# Altium PCB Simulation.PcbDoc (part 3 of 3) (continued)
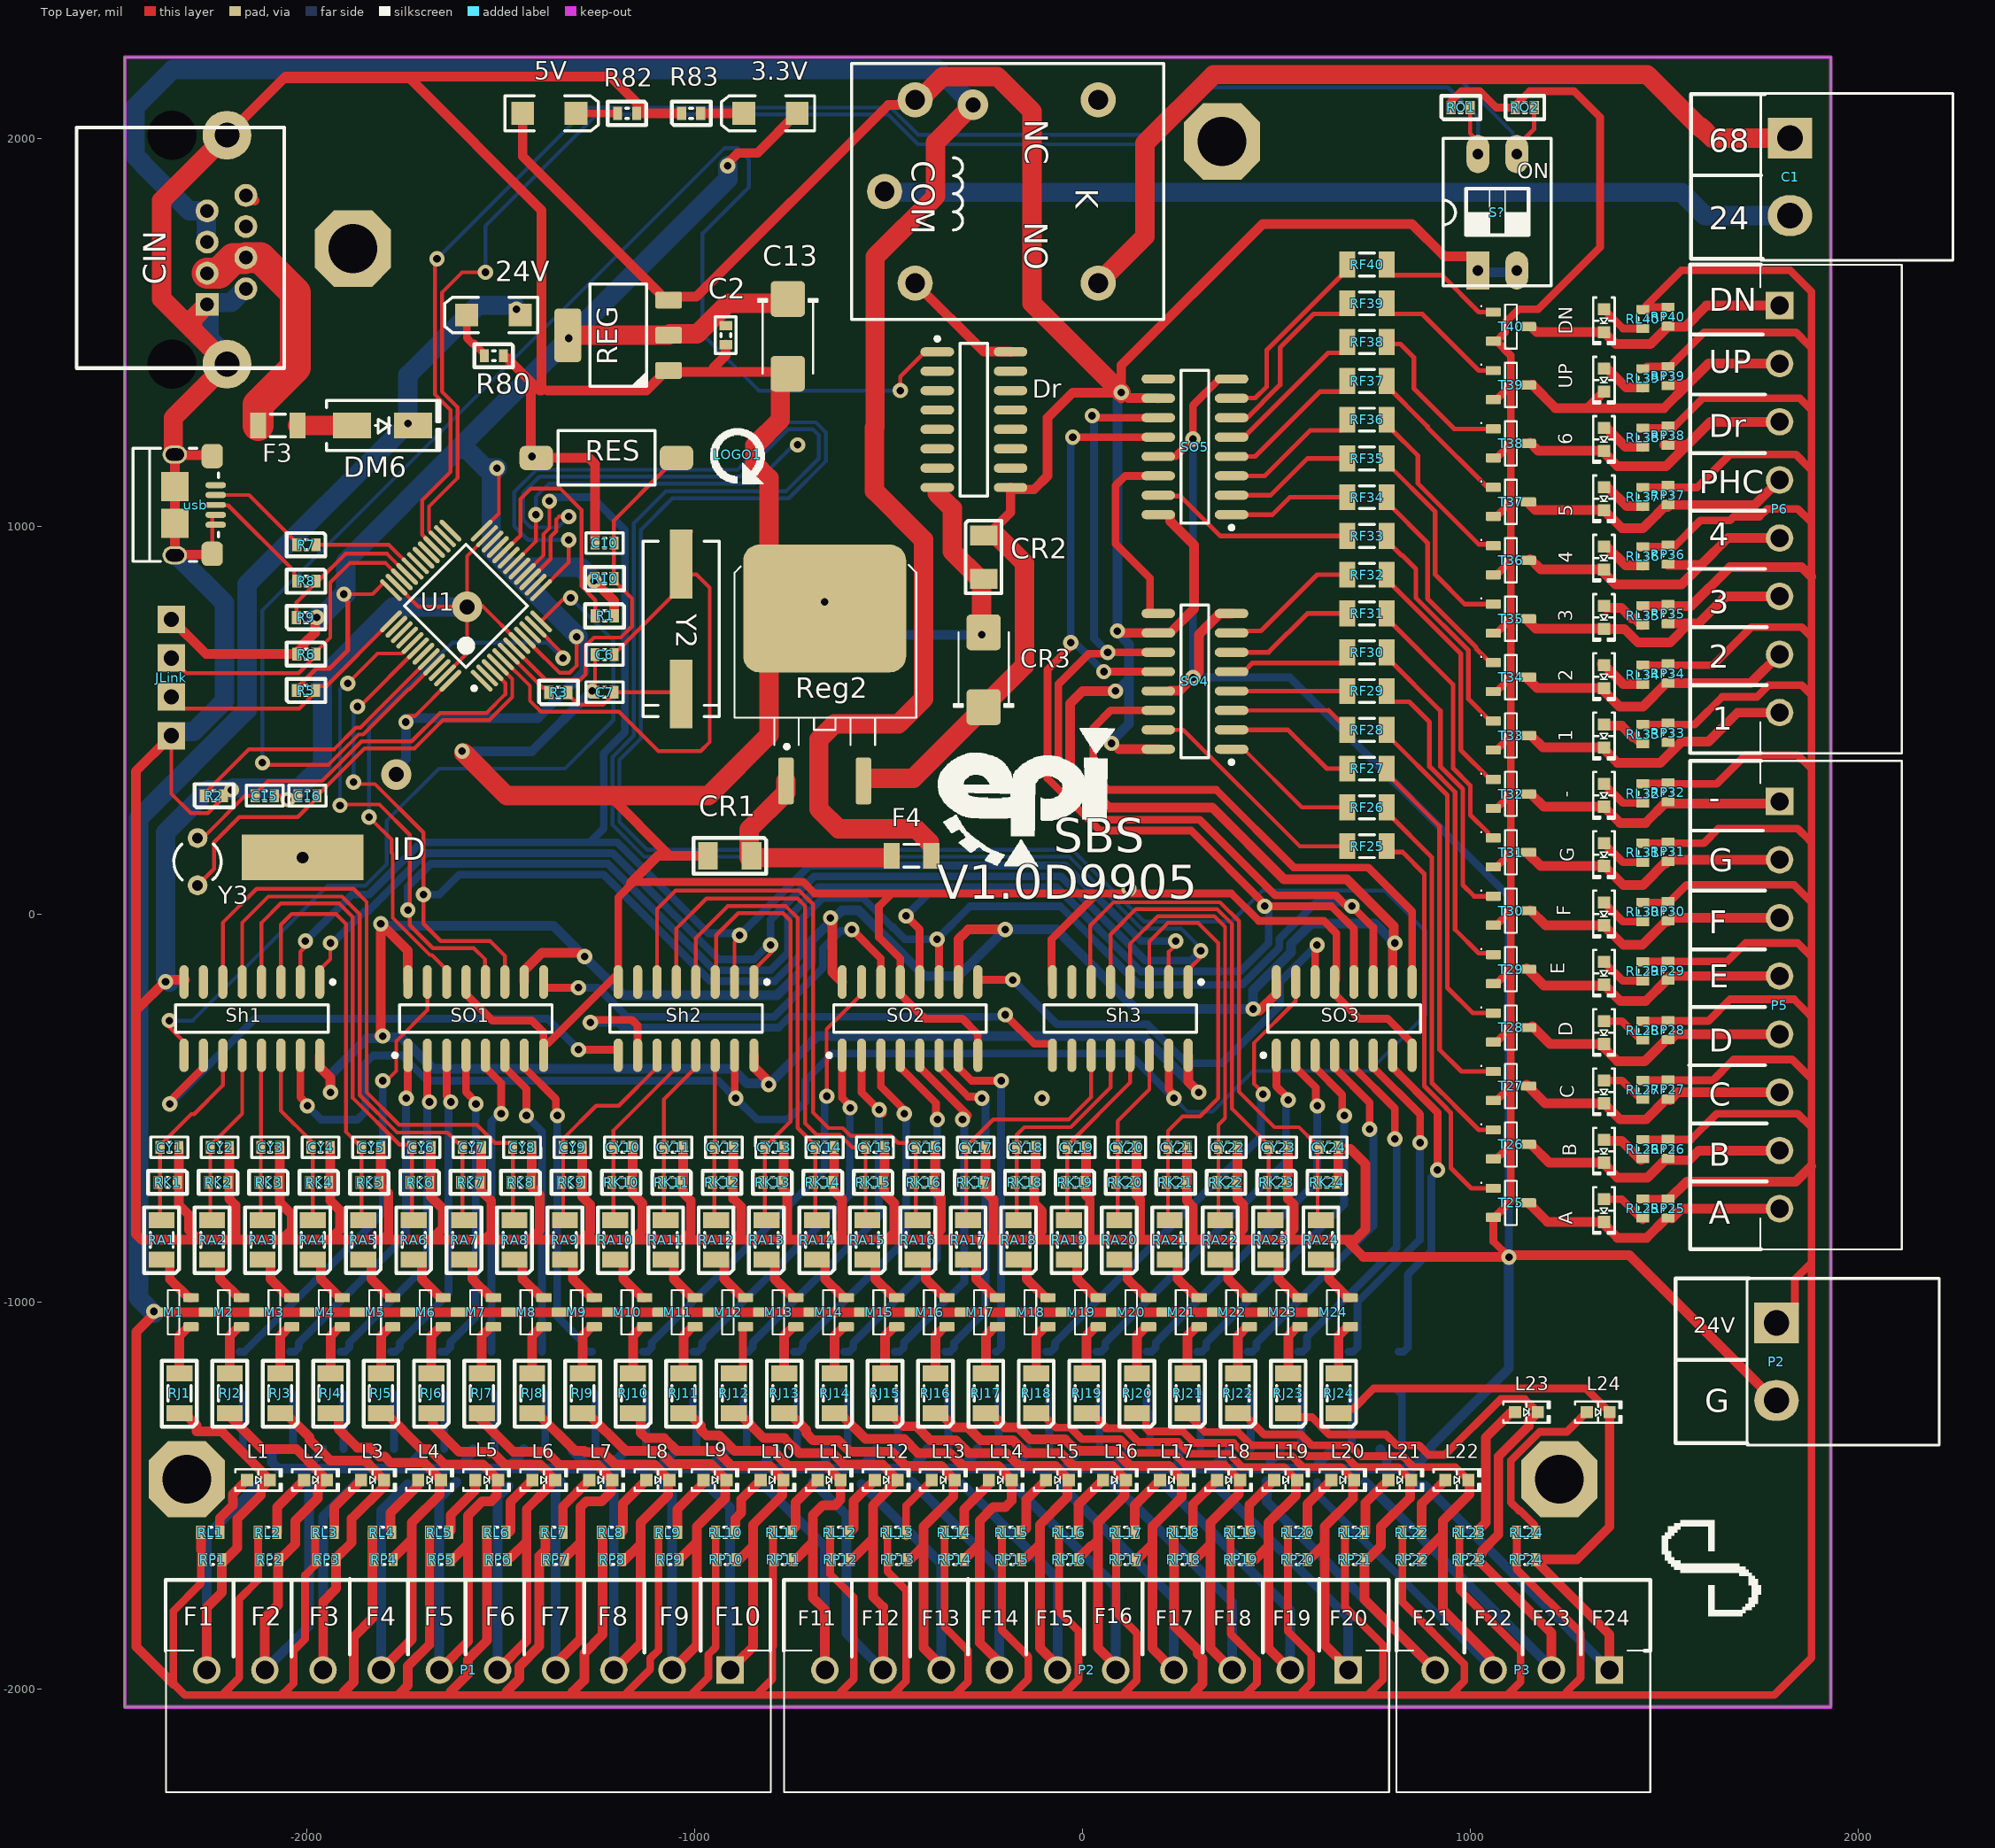
[diagram p0: Top Layer view]
## Nets (pads, with @x,y where several pads share a name; then routed paths per layer and width w, separated by ;. In a path a pad name is that pad's centre, name@x,y a point inside that pad or via, vN(x,y) a via of type N, cw(c..) or ccw(c..) an arc to the next point about the centre after c; other vN are vias at no path point) (continued)
  Top Layer w25: RP23.2@1020,-1665 1209.44,-1854.44 P3.2@1209.44,-1950 ; RP23.2@1030,-1650 1030,-1643.78 1072.87,-1600.91 1072.87,-1399.06 1151.59,-1320.34 1151.59,-1307.93 L23.2@1174.53,-1285
  Bottom Layer w25: T23.3@730,-1465 1209.44,-1944.44 P3.2@1209.44,-1950
SI24_23: L24.2 P3.1 RJ24.1 RP24.2 T24.3 | length 2308.2
  Top Layer w20: RJ24.1@680,-1295 680,-1280.86 684.17,-1276.69 698.31,-1276.69 751.5,-1223.5 1298.03,-1223.5 L24.2@1359.53,-1285
  Top Layer w25: RP24.2@1168.99,-1665 1168.99,-1668.54 1359.44,-1858.99 1359.44,-1939.44 P3.1@1360,-1940 ; RP24.2@1175,-1665 1275,-1665 1359.53,-1580.47 L24.2@1359.53,-1285
  Bottom Layer w25: T24.3@860,-1475 884.44,-1475 P3.1@1359.44,-1950
SI24_24: A.2 P5.8 RP25.2 T25.3 | length 697.4
  Top Layer w25: T25.3@1155,-750 1199.53,-794.53 A.2@1345,-794.53 ; A.2@1345,-800 1380,-835 1455.45,-835 1506.46,-783.99 RP25.2@1510,-783.99 ; RP25.2@1520,-785 1545,-760 P5.8@1798,-760
SI24_25: B.2 P5.7 RP26.2 T26.3 | length 710.7
  Top Layer w25: T26.3@1157.46,-595.02 1203.97,-641.53 B.2@1345,-641.53 ; B.2@1345,-645 1380,-680 1457.12,-680 RP26.2@1506.06,-631.06 ; RP26.2@1510,-630.66 1506.46,-630.66 RP26.2@1506.06,-631.06 ; P5.7@1798,-610 1590,-610 1565,-635 1510,-635 1507.83,-632.83 RP26.2@1506.06,-631.06
SI24_26: C.2 P5.6 RP27.2 T27.3 | length 714.8
  Top Layer w25: T27.3@1145,-440 1193.53,-488.53 C.2@1345,-488.53 ; C.2@1345,-490 1346.47,-490 1386.47,-530 1453.78,-530 1506.46,-477.33 RP27.2@1510,-477.33 ; RP27.2@1515,-480 1535,-460 P5.6@1798,-460
SI24_27: D.2 P5.5 RP28.2 T28.3 | length 695.8
  Top Layer w25: T28.3@1160,-290 1205.53,-335.53 D.2@1345,-335.53 ; D.2@1345,-345 1380,-380 1450.45,-380 1506.46,-323.99 RP28.2@1510,-323.99 ; RP28.2@1515,-325 1530,-310 P5.5@1798,-310
SI24_28: E.2 P5.4 RP29.2 T29.3 | length 721.9
  Top Layer w25: T29.3@1145,-140 1190,-185 1342.53,-185 E.2@1345,-182.53 1387.47,-225 1452.12,-225 1506.46,-170.66 RP29.2@1510,-170.66 ; RP29.2@1505,-170 1515,-160 P5.4@1798,-160
SI24_29: F.2 P5.3 RP30.2 T30.3 | length 710.9
  Top Layer w25: T30.3@1155,10 1194.53,-29.53 F.2@1344.53,-29.53 ; F.2@1345,-29.53 F.2@1344.53,-29.53 ; RP30.2@1510,-20 1520,-10 P5.3@1798,-10 ; RP30.2@1510,-17.33 1506.46,-17.33 1443.78,-80 1395,-80 F.2@1344.53,-29.53
SI24_30: G.2 P5.2 RP31.2 T31.3 | length 723.3
  Top Layer w25: T31.3@1150,155 1181.53,123.47 G.2@1345,123.47 ; G.2@1340,130 1395,75 1445.45,75 1506.46,136.01 RP31.2@1510,136.01 ; RP31.2@1505,130 1515,140 P5.2@1798,140
SI24_31: -.2 P5.1 RP32.2 T32.3 | length 700.2
  Top Layer w25: T32.3@1157.46,308.98 1189.97,276.47 -.2@1345,276.47 ; -.2@1345,275 1346.47,275 1386.47,235 1452.12,235 1506.46,289.34 RP32.2@1510,289.34 ; RP32.2@1505,285 1793,285 P5.1@1798,290
SI24_32: 1.2 P6.8 RP33.2 T33.3 | length 721.2
  Top Layer w25: T33.3@1157.46,459.64 1187.63,429.47 1.2@1345,429.47 ; 1.2@1345,425 1380,390 1490,390 1545,445 1615,445 1689.49,519.49 P6.8@1798,519.49
SI24_33: 2.2 P6.7 RP34.2 T34.3 | length 730
  Top Layer w25: T34.3@1150,605 1172.53,582.47 2.2@1345,582.47 ; 2.2@1345,575 1385,535 1445.45,535 1506.46,596.01 RP34.2@1510,596.01 ; RP34.2@1510,595 1723.51,595 P6.7@1798,669.49
SI24_34: 3.2 P6.6 RP35.2 T35.3 | length 787.2
  Top Layer w25: T35.3@1145,760 1169.53,735.47 3.2@1345,735.47 ; 3.2@1345,735 1345.27,734.73 1398.25,734.73 1432.98,700 1515,700 1565,750 ; RP35.2@1505,750 1565,750 ; P6.6@1798,819.49 1659.49,819.49 1590,750 1565,750
SI24_35: 4.2 P6.5 RP36.2 T36.3 | length 800.9
  Top Layer w25: T36.3@1155,915 1181.53,888.47 4.2@1345,888.47 ; 4.2@1345,880 1375,850 1545,850 1595,900 ; RP36.2@1510,900 1595,900 ; P6.5@1798,969.49 1664.49,969.49 1595,900
SI24_36: 5.2 P6.4 RP37.2 T37.3 | length 728.8
  Top Layer w25: T37.3@1150,1060 1168.53,1041.47 5.2@1345,1041.47 ; 5.2@1345,1040 1346.47,1040 1391.47,995 1446.15,995 1482.11,1030.95 1482.11,1031.66 1506.46,1056.01 RP37.2@1510,1056.01 ; RP37.2@1510,1050 1515,1055 1733.51,1055 P6.4@1798,1119.49
SI24_37: 6.2 P6.3 RP38.2 T38.3 | length 773.4
  Top Layer w25: T38.3@1155,1215 1175.53,1194.47 6.2@1345,1194.47 ; 6.2@1345,1190 1380,1155 1505,1155 1560,1210 ; RP38.2@1500,1210 1560,1210 ; P6.3@1798,1269.49 1619.49,1269.49 1560,1210
SI24_38: P6.2 RP39.2 T39.3 UP.2 | length 815.3
  Top Layer w25: T39.3@1160,1365 1220,1305 1302.53,1305 ; UP.2@1345,1347.47 1302.53,1305 ; RP39.2@1515,1365 1560,1365 ; P6.2@1798,1419.49 1614.49,1419.49 1560,1365 ; 1302.53,1305 1500,1305 1560,1365
SI24_39: DN.2 P6.1 RP40.2 T40.3 | length 700.1
  Top Layer w25: T40.3@1157.46,1514.31 1171.3,1500.47 DN.2@1345,1500.47 1375.47,1470 1465,1470 1510,1515 1555,1515 1609.49,1569.49 P6.1@1798,1569.49
Sig_0: RF1.2 SO1.15 | length 1157.4
  Top Layer w10: v1@-1795,-430 -1770,-405 -1770,-328.22 -1689.86,-248.08 SO1.15@-1689.86,-175.51
  Bottom Layer w20: RF1.2@-2174.39,-1128.9 -2161.6,-1128.9 -1805,-772.3 v1(-1805,-430)
Sig_1: RF2.2 SO1.1 | length 898.2
  Top Layer w20: v1(-1744.33,-475) -1740.04,-470.71 -1740.04,-404.44 -1740.55,-403.93 -1740.55,-365.18 SO1.1@-1739.86,-364.49
  Bottom Layer w20: RF2.2@-2044.39,-1128.9 -2031.6,-1128.9 -2020.93,-1118.23 -2020.93,-1105.43 -1745,-829.51 v1@-1745,-475
Sig_2: RF3.2 SO1.2 | length 872.1
  Top Layer w20: SO1.2@-1689.86,-364.49 -1689.86,-474.23 -1684.33,-479.76 v1(-1684.33,-485)
  Bottom Layer w20: RF3.2@-1914.39,-1128.9 -1901.6,-1128.9 -1890.93,-1118.23 -1890.93,-1105.43 -1690,-904.51 v1@-1690,-480
Sig_3: RF4.2 SO1.3 | length 838.1
  Top Layer w20: SO1.3@-1639.86,-364.49 -1639.86,-469.23 -1629.33,-479.76 v1(-1629.33,-485)
  Bottom Layer w20: RF4.2@-1784.39,-1128.9 -1771.6,-1128.9 -1760.93,-1118.23 -1760.93,-1105.43 -1635,-979.51 v1@-1635,-485
Sig_4: RF5.2 SO1.4 | length 819.5
  Top Layer w20: SO1.4@-1589.86,-364.49 -1589.86,-459.23 -1564.33,-484.76 v1(-1564.33,-490)
  Bottom Layer w20: RF5.2@-1654.39,-1128.9 -1641.6,-1128.9 -1630.93,-1118.23 -1630.93,-1105.43 -1565,-1039.51 v1@-1565,-490
Sig_5: RF6.2 SO1.5 | length 789.2
  Top Layer w20: SO1.5@-1539.86,-364.49 -1539.86,-395.98 -1499.33,-436.51 v1(-1499.33,-515)
  Bottom Layer w20: RF6.2@-1524.39,-1128.9 -1524.39,-534.39 v1@-1505,-515
Sig_6: RF7.2 SO1.6 | length 811.3
  Top Layer w20: SO1.6@-1489.86,-364.49 -1489.86,-395.98 -1434.33,-451.51 v1(-1434.33,-520)
  Bottom Layer w20: v1@-1440,-515 -1394.39,-560.61 RF7.2@-1394.39,-1128.9
Sig_7: RF8.2 SO1.7 | length 844.9
  Top Layer w20: SO1.7@-1439.86,-364.49 -1439.86,-395.98 -1358.04,-477.81 -1358.04,-516.29 v1(-1354.33,-520)
  Bottom Layer w20: v1@-1355,-520 -1355,-1038.29 -1287.86,-1105.43 -1287.86,-1118.23 -1277.19,-1128.9 RF8.2@-1264.39,-1128.9
Sig_8: RF9.2 SO2.15 | length 1198.2
  Top Layer w10: v1@-660,-475 -659.33,-474.33 v1(-659.33,-470) -659.33,-372.79 -660,-372.13 -660,-297.08 -569.93,-207.01 SO2.15@-569.93,-175.51
  Bottom Layer w20: RF9.2@-1134.39,-1128.9 -1121.6,-1128.9 -1110.93,-1118.23 -1110.93,-1105.43 -665,-659.51 v1@-665,-470
Sig_9: RF10.2 SO2.1 | length 959.7
  Top Layer w20: SO2.1@-619.93,-364.49 -619.93,-474.16 -595,-499.09 v1@-595,-500
  Bottom Layer w20: RF10.2@-1004.39,-1128.9 -991.6,-1128.9 -980.93,-1118.23 -980.93,-1105.43 -600,-724.51 v1@-600,-490
  other v1: -599.33,-500
Sig_10: RF11.2 SO2.2 | length 949.4
  Top Layer w20: SO2.2@-569.93,-364.49 -569.93,-460.07 v1@-515,-515
  Bottom Layer w20: RF11.2@-874.39,-1128.9 -861.6,-1128.9 -850.93,-1118.23 -850.93,-1105.43 -525,-779.51 v1@-525,-505
  other v1: -524.33,-505
Sig_11: RF12.2 SO2.3 | length 925.7
  Top Layer w20: SO2.3@-519.93,-364.49 -519.93,-445.07 v1@-450,-515
  Bottom Layer w20: RF12.2@-744.39,-1128.9 -731.6,-1128.9 -720.93,-1118.23 -720.93,-1105.43 -455,-839.51 v1@-455,-510
  other v1: -459.33,-515
Sig_12: RF13.2 SO2.4 | length 905.4
  Top Layer w20: SO2.4@-469.93,-364.49 -469.93,-395.98 -378.04,-487.88 -378.04,-521.96 v1@-375,-525
  Bottom Layer w20: RF13.2@-614.39,-1128.9 -601.6,-1128.9 -590.93,-1118.23 -590.93,-1105.43 -375,-889.51 v1@-375,-530
  other v1: -374.33,-530
Sig_13: RF14.2 SO2.5 | length 888
  Top Layer w20: SO2.5@-419.93,-364.49 -419.93,-395.07 v1@-295,-520
  Bottom Layer w20: RF14.2@-484.39,-1128.9 -471.6,-1128.9 -460.93,-1118.23 -460.93,-1105.43 -305,-949.51 v1@-305,-530
  other v1: -309.33,-530
Sig_14: RF15.2 SO2.6 | length 879
  Top Layer w20: SO2.6@-369.93,-364.49 -369.93,-395.98 -294.62,-471.29 -268.28,-471.29 -265,-474.57 v1@-265,-480
  Bottom Layer w20: RF15.2@-354.39,-1128.9 -341.6,-1128.9 -330.93,-1118.23 -330.93,-1105.43 -250,-1024.51 v1@-250,-475
  other v1: -259.33,-475
Sig_15: RF16.2 SO2.7 | length 857.6
  Top Layer w20: SO2.7@-319.93,-364.49 -319.93,-395.98 -285.91,-430 v1@-210,-430
  Bottom Layer w20: RF16.2@-224.39,-1128.9 -220.67,-1128.9 -210,-1118.23 v1@-210,-435
  other v1: -209.33,-430
Sig_16: RF17.2 SO3.15 | length 1247
  Top Layer w10: v1@460,-470 460,-455.87 442.87,-438.74 442.87,-332.13 550,-225 SO3.15@550,-175.51
  Bottom Layer w20: RF17.2@-94.39,-1128.9 -81.6,-1128.9 -70.93,-1118.23 -70.93,-1105.43 460,-574.51 v1@460,-465
  other v1: 465.67,-465
Sig_17: RF18.2 SO3.1 | length 987
  Top Layer w20: SO3.1@500,-364.49 500,-444.09 530,-474.09 v1@530,-475
  Bottom Layer w20: RF18.2@35.61,-1128.9 48.4,-1128.9 59.07,-1118.23 59.07,-1105.43 525,-639.51 v1@525,-475
  other v1: 530.67,-480
Sig_18: RF19.2 SO3.2 | length 976.7
  Top Layer w20: SO3.2@550,-364.49 550,-395.98 601.96,-447.95 601.96,-486.96 v1@605,-490
  Bottom Layer w20: RF19.2@165.61,-1128.9 178.4,-1128.9 189.07,-1118.23 189.07,-1105.43 605,-689.51 v1@605,-490
  other v1: 605.67,-495
Sig_19: RF20.2 SO3.3 | length 953
  Top Layer w20: SO3.3@600,-364.49 600,-395.98 670,-465.98 v1@670,-510
  Bottom Layer w20: RF20.2@295.61,-1128.9 308.4,-1128.9 319.07,-1118.23 319.07,-1105.43 675,-749.51 v1@675,-515
  other v1: 675.67,-520
Sig_20: RF21.2 SO3.4 | length 949.1
  Top Layer w20: SO3.4@650,-364.49 650,-395.98 740.67,-486.65 v1(740.67,-555) 740.67,-559.33 v1@740,-560
  Bottom Layer w20: RF21.2@425.61,-1128.9 438.4,-1128.9 449.07,-1118.23 449.07,-1105.43 750,-804.51 v1@750,-555
Sig_21: RF22.2 SO3.5 | length 922.8
  Top Layer w20: SO3.5@700,-364.49 700,-395.98 805.67,-501.65 805.67,-575.67 v1@810,-580
  Bottom Layer w20: RF22.2@555.61,-1128.9 568.4,-1128.9 579.07,-1118.23 579.07,-1090.93 810,-860 v1@810,-580
  other v1: 805.67,-580
Sig_22: RF23.2 SO3.6 | length 910.6
  Top Layer w20: SO3.6@750,-364.49 750,-395.98 870.67,-516.65 870.67,-584.33 v1@865,-590
  Bottom Layer w20: RF23.2@685.61,-1128.9 698.4,-1128.9 709.07,-1118.23 709.07,-1000.93 870,-840 v1@870,-580
  other v1: 870.67,-590
Sig_23: RF24.2 SO3.7 | length 863.3
  Top Layer w20: SO3.7@800,-364.49 800,-395.98 915.67,-511.65 915.67,-659.33 v1@915,-660
  Bottom Layer w20: RF24.2@815.61,-1128.9 828.4,-1128.9 839.07,-1118.23 839.07,-929.58 900,-868.65 900,-680 v1@920,-660
  other v1: 915.67,-660
Sig_24: RF25.2 SO4.15 | length 611.5
  Top Layer w10: SO4.15@195.51,475 260,475 560,175 RF25.2@682.8,175
Sig_25: RF26.2 SO4.1 | length 353.3
  Top Layer w10: SO4.1@390,420 390.55,420.55 420.43,420.55 565.98,275 RF26.2@682.8,275
Sig_26: RF27.2 SO4.2 | length 354.2
  Top Layer w12: SO4.2@370,475 SO4.2@384.49,475 530,475 630,375 RF27.2@682.8,375
Sig_27: RF28.2 SO4.3 | length 326.9
  Top Layer w10: SO4.3@380,520 385,525 635,525
  Top Layer w12: 635,525 682.8,477.2 RF28.2@682.8,475
Sig_28: RF29.2 SO4.4 | length 277.8
  Top Layer w12: SO4.4@405,575 RF29.2@682.8,575
Sig_29: RF30.2 SO4.5 | length 299.9
  Top Layer w12: SO4.5@410,630 411.2,628.8 419.78,628.8 438.52,647.54 668.13,647.54 682.8,662.2 RF30.2@682.8,675
Sig_30: RF31.2 SO4.6 | length 351.3
  Top Layer w12: SO4.6@375,680 380,675 SO4.6@384.49,675 480,675 580,775 RF31.2@682.8,775
Sig_31: RF32.2 SO4.7 | length 365.2
  Top Layer w12: SO4.7@380,730 382.78,727.22 421.35,727.22 424.13,730 460,730 605,875 RF32.2@682.8,875
Sig_32: RF33.2 SO5.15 | length 521.3
  Top Layer w12: SO5.15@205,1080 207.22,1077.78 252.22,1077.78 355,975 RF33.2@682.8,975
Sig_33: RF34.2 SO5.1 | length 313.5
  Top Layer w12: SO5.1@390,1035 395,1030 490,1030 535,1075 RF34.2@682.8,1075
Sig_34: RF35.2 SO5.2 | length 337.1
  Top Layer w12: SO5.2@385,1080 485,1080 580,1175 RF35.2@682.8,1175
Sig_35: RF36.2 SO5.3 | length 370.4
  Top Layer w12: SO5.3@380,1130 SO5.3@384.49,1130 470,1130 587.54,1247.54 668.13,1247.54 682.8,1262.2 RF36.2@682.8,1275
Sig_36: RF37.2 SO5.4 | length 351.1
  Top Layer w12: SO5.4@420,1180 445.8,1180 613.33,1347.54 668.13,1347.54 682.8,1362.2 RF37.2@682.8,1375
Sig_37: RF38.2 SO5.5 | length 398.8
  Top Layer w12: SO5.5@395,1225 410.98,1225 633.52,1447.54 668.13,1447.54 682.8,1462.2 RF38.2@682.8,1475
Sig_38: RF39.2 SO5.6 | length 491
  Top Layer w12: SO5.6@380,1275 420,1275 509.67,1364.67 509.67,1460.98 596.23,1547.54 668.13,1547.54 682.8,1562.2 RF39.2@682.8,1575
Sig_39: RF40.2 SO5.7 | length 500.6
  Top Layer w12: SO5.7@390,1325 395.8,1330.8 445.8,1330.8 475,1360 475,1454.41 682.8,1662.2 RF40.2@682.8,1675
SIMu_0: CY1.1 RA1.2 RK1.2 Sh1.11 | length 498.1
  Top Layer w10: RA1.2@-2375,-789.37 -2379.5,-784.87 -2379.5,-692.05 -2379.5,-597.13 -2298.6,-516.23 -2291.43,-516.23 -2217.35,-442.14 Sh1.11@-2217.35,-364.49
SIMu_1: CY2.1 RA2.2 RK2.2 Sh1.12 | length 460.8
  Top Layer w10: RA2.2@-2245,-789.37 -2249.5,-784.87 CY2.1@-2249.5,-602.05 -2249.5,-597.13 -2167.35,-514.98 Sh1.12@-2167.35,-364.49
SIMu_2: CY3.1 RA3.2 RK3.2 Sh1.13 | length 427.6
  Top Layer w10: Sh1.13@-2117.35,-364.49 -2118.42,-365.56 -2118.42,-600.97 CY3.1@-2119.5,-602.05 -2119.5,-784.87 RA3.2@-2115,-789.37
SIMu_3: CY4.1 RA4.2 RK4.2 Sh1.14 | length 459
  Top Layer w10: Sh1.14@-2067.35,-364.49 -2067.35,-507.65 -1989.5,-585.5 CY4.1@-1989.5,-602.05 -1985,-606.54 RA4.2@-1985,-789.37
SIMu_4: CY5.1 RA5.2 RK5.2 Sh1.3 | length 1124
  Top Layer w10: Sh1.3@-2070,-160 Sh1.3@-2067.35,-157.35 ; Sh1.3@-2067.35,-175.51 Sh1.3@-2067.35,-157.35 ; RA5.2@-1855,-789.37 -1859.5,-784.87 CY5.1@-1859.5,-602.05 -1900,-561.54 -1900,-25 -1925,0 -2040,0 -2067.35,-27.35 Sh1.3@-2067.35,-157.35
SIMu_5: CY6.1 RA6.2 RK6.2 Sh1.4 | length 1288.2
  Top Layer w10: Sh1.4@-2120,-170 Sh1.4@-2117.35,-167.35 ; Sh1.4@-2117.35,-175.51 Sh1.4@-2117.35,-167.35 ; RA6.2@-1725,-789.37 -1729.5,-784.87 CY6.1@-1729.5,-602.05 -1736.31,-595.24 -1761.39,-595.24 -1882.13,-474.5 -1882.13,-8.15 -1917.4,27.13 -2067.87,27.13 -2117.35,-22.35 Sh1.4@-2117.35,-167.35
SIMu_6: CY7.1 RA7.2 RK7.2 Sh1.5 | length 1489.5
  Top Layer w10: Sh1.5@-2167.35,-175.51 Sh1.5@-2167.35,-157.65 ; Sh1.5@-2165,-160 Sh1.5@-2167.35,-157.65 ; RA7.2@-1600,-795 -1599.5,-794.5 CY7.1@-1599.5,-602.05 -1599.5,-597.13 -1606.31,-590.31 -1611.23,-590.31 -1637.83,-563.72 -1767.63,-563.72 -1864.25,-467.09 -1864.25,-0.75 -1910,45 -2100,45 -2167.35,-22.35 Sh1.5@-2167.35,-157.65
SIMu_7: CY8.1 RA8.2 RK8.2 Sh1.6 | length 1698.8
  Top Layer w10: Sh1.6@-2220,-180 -2217.35,-177.35 Sh1.6@-2217.35,-175.51 -2217.35,-22.35 -2130,65 -1880,65 -1846.38,31.38 -1846.38,-459.69 -1762.4,-543.67 -1562.13,-543.67 -1515.49,-590.31 -1476.31,-590.31 -1469.5,-597.13 CY8.1@-1469.5,-602.05 -1469.5,-784.87 RA8.2@-1465,-789.37
SIMu_8: CY9.1 RA9.2 RK9.2 Sh2.11 | length 561.3
  Top Layer w10: RA9.2@-1335,-789.37 -1339.5,-784.87 CY9.1@-1339.5,-602.05 -1339.5,-579.5 -1254.45,-494.45 -1195.88,-494.45 -1097.42,-395.98 Sh2.11@-1097.42,-364.49
SIMu_9: CY10.1 RA10.2 RK10.2 Sh2.12 | length 493.9
  Top Layer w10: RA10.2@-1205,-789.37 -1209.5,-784.87 CY10.1@-1209.5,-602.05 -1209.5,-558.06 -1047.42,-395.98 Sh2.12@-1047.42,-364.49
SIMu_10: CY11.1 RA11.2 RK11.2 Sh2.13 | length 460.7
  Top Layer w10: RA11.2@-1075,-789.37 -1079.5,-784.87 CY11.1@-1079.5,-602.05 -1079.5,-478.06 -997.42,-395.98 Sh2.13@-997.42,-364.49
SIMu_11: CY12.1 RA12.2 RK12.2 Sh2.14 | length 427.6
  Top Layer w10: Sh2.14@-947.42,-364.49 -948.46,-365.53 -948.46,-601.01 CY12.1@-949.5,-602.05 -949.5,-784.87 RA12.2@-945,-789.37
SIMu_12: CY13.1 RA13.2 RK13.2 Sh2.3 | length 1149
  Top Layer w10: Sh2.3@-950,-160 -945,-155 -945,-55 -887.87,2.13 -772.4,2.13 -752.87,-17.4 -752.87,-535.43 CY13.1@-819.5,-602.05 -819.5,-784.87 RA13.2@-815,-789.37 ; Sh2.3@-947.42,-175.51 -944.81,-172.91 Sh2.3@-944.81,-160
SIMu_13: CY14.1 RA14.2 RK14.2 Sh2.4 | length 1217.7
  Top Layer w10: Sh2.4@-1000,-170 -997.42,-167.42 -997.42,-62.42 -915,20 -765,20 -735,-10 -735,-551.62 -689.5,-597.13 CY14.1@-689.5,-602.05 -689.5,-784.87 RA14.2@-685,-789.37
SIMu_14: CY15.1 RA15.2 RK15.2 Sh2.5 | length 1444.5
  Top Layer w10: Sh2.5@-1050,-155 Sh2.5@-1047.42,-152.42 ; Sh2.5@-1047.42,-175.51 Sh2.5@-1047.42,-152.42 ; RA15.2@-555,-789.37 -559.5,-784.87 CY15.1@-559.5,-602.05 -593.75,-602.05 -625.8,-570 -685,-570 -715,-540 -715,19.72 -735,39.72 -970.28,39.72 -1047.42,-37.42 Sh2.5@-1047.42,-152.42
SIMu_15: CY16.1 RA16.2 RK16.2 Sh2.6 | length 1660.2
  Top Layer w10: Sh2.6@-1100,-165 Sh2.6@-1097.42,-162.42 ; Sh2.6@-1097.42,-175.51 Sh2.6@-1097.42,-162.42 ; RA16.2@-425,-789.37 -429.5,-784.87 CY16.1@-429.5,-602.05 -429.5,-597.13 -436.31,-590.31 -475.49,-590.31 -493.36,-572.44 -598.08,-572.44 -618.4,-552.13 -655,-552.13 -695,-512.13 -695,25 -730,60 -1050,60 -1097.42,12.58 Sh2.6@-1097.42,-162.42
SIMu_16: CY17.1 RA17.2 RK17.2 Sh3.11 | length 674.2
  Top Layer w10: RA17.2@-295,-789.37 -299.5,-784.87 CY17.1@-299.5,-602.05 -299.5,-599.5 -230,-530 -35.28,-530 22.51,-472.21 Sh3.11@22.51,-364.49
SIMu_17: CY18.1 RA18.2 RK18.2 Sh3.12 | length 597.3
  Top Layer w10: RA18.2@-165,-789.37 -169.5,-784.87 CY18.1@-169.5,-602.05 -169.5,-569.5 -150,-550 -30,-550 72.51,-447.49 Sh3.12@72.51,-364.49
SIMu_18: CY19.1 RA19.2 RK19.2 Sh3.13 | length 493.9
  Top Layer w10: RA19.2@-35,-789.37 -39.5,-784.87 CY19.1@-39.5,-602.05 -39.5,-597.13 122.51,-435.12 Sh3.13@122.51,-364.49
SIMu_19: CY20.1 RA20.2 RK20.2 Sh3.14 | length 460.7
  Top Layer w10: RA20.2@95,-789.37 90.5,-784.87 CY20.1@90.5,-602.05 90.5,-534.5 172.51,-452.49 Sh3.14@172.51,-364.49
SIMu_20: CY21.1 RA21.2 RK21.2 Sh3.3 | length 1139.9
  Top Layer w10: Sh3.3@175,-195 172.51,-192.51 Sh3.3@172.51,-175.51 172.51,-70.87 220,-23.39 298.39,-23.39 350,-75 350,-475 303.01,-521.99 258.01,-521.99 220.5,-559.5 CY21.1@220.5,-602.05 220.5,-784.87 RA21.2@225,-789.37
SIMu_21: CY22.1 RA22.2 RK22.2 Sh3.4 | length 1149.8
  Top Layer w10: Sh3.4@122.51,-175.51 122.51,-162.51 122.51,-77.49 194.49,-5.51 339.96,-5.51 367.87,-33.43 367.87,-526.38 350.5,-543.75 CY22.1@350.5,-602.05 350.5,-692.05 350.5,-784.87 RA22.2@355,-789.37
SIMu_22: CY23.1 RA23.2 RK23.2 Sh3.5 | length 1287
  Top Layer w10: Sh3.5@70,-165 Sh3.5@72.51,-162.49 ; Sh3.5@72.51,-175.51 Sh3.5@72.51,-162.49 ; RA23.2@485,-789.37 480.5,-784.87 CY23.1@480.5,-602.05 480.5,-597.13 385.75,-502.37 385.75,-26.03 347.36,12.36 137.36,12.36 72.51,-52.49 Sh3.5@72.51,-162.49
SIMu_23: CY24.1 RA24.2 RK24.2 Sh3.6 | length 1478.7
  Top Layer w10: Sh3.6@20,-145 20,-30 80.24,30.24 354.76,30.24 403.62,-18.62 403.62,-458.62 495,-550 558.46,-550 598.77,-590.31 603.69,-590.31 610.5,-597.13 CY24.1@610.5,-602.05 606.28,-606.27 RK24.2@606.28,-692.05 606.28,-780.65 RA24.2@615,-789.37 ; Sh3.6@22.51,-175.51 Sh3.6@22.51,-142.49
SWCLk: JLink.2 R5.2 U1.37 | length 677.8
  Top Layer w10: JLink.2@-2350,560 -2320,530 -2020.09,530 -1978.61,571.48 R5.2@-1978.61,576.4 -1978.61,581.32 -1971.8,588.13 -1949.98,588.13 U1.37@-1783.48,754.63
SWIO: JLink.3 R6.1 U1.34 | length 834.4
  Top Layer w10: JLink.3@-2350,660 -2311.08,621.08 -2022.01,621.08 -1977.61,665.49 R6.1@-1977.61,670.41 -1977.61,675.33 -1940,712.93 -1940,855 -1890,905 -1797.44,905 U1.34@-1755.64,863.21
VCC: 5V.1 CR2.1 CR3.1 Dr.9 K.4 Reg2.3 REG.3 S?.1 S?.2 Sh1.16 Sh2.16 Sh3.16 SO1.10 SO1.16 SO2.10 SO2.16 SO3.10 SO3.16 SO4.10 SO4.16 SO5.10 SO5.16 | length 15756.4
  Top Layer w25: Sh1.16@-1967.35,-364.49 -1967.35,-394.61 -1940,-421.95 v1@-1940,-455 ; v1@-1815,-315 -1810,-310 v1(-1810,-25) ; v1@-1805.09,-29.48 -1739.86,-94.7 SO1.16@-1739.86,-175.51 ; 5V.1@-1443.9,2065 -1443.9,1953.9 -1089.56,1599.56 -1089.56,1592.33 -1077.23,1580 REG.3@-1070,1580 ; SO1.10@-1439.86,-175.51 -1439.86,-145.39 -1394.47,-100 v1@-1300,-100 ; REG.3@-1067.61,1583.17 -1058.45,1592.33 -995.66,1592.33 -500.82,2087.16 -422.84,2087.16 K.4@-420,2090 ; Sh2.16@-847.42,-364.49 -847.42,-394.61 v1@-802.02,-440 ; v1@-645,-5 -645,-150.44 SO2.16@-619.93,-175.51 ; SO2.10@-319.93,-175.51 -319.93,-64.93 -295,-40 v1(-199.33,-40) ; CR2.1@-265,975 -246.26,975 -245.75,975.51 -185.51,1035.75 Dr.9@-185.51,1100 -185,1100 -180,1095 -125,1095 -90,1130 -90,1280 -25,1345 v1(100,1345) ; v1(85,575) 0,575 -31.75,543.25 -31.75,374.13 67.38,275 334.63,275 520,89.63 682.03,89.63 802.92,-31.27 802.92,-72.25 v1(805.67,-75) ; v1@90,725 SO4.10@195.51,725 225.63,725 287.93,787.3 287.93,952.07 226.32,1013.68 SO5.16@226.32,1029.31 ; 93.89,425 SO4.16@195.51,425 ; v1@100,1330 v1(100,1345) ; 118.2,1330.69 194.82,1330.69 SO5.10@195.51,1330 ; Sh3.16@272.51,-364.49 272.51,-432.51 v1(300,-460) ; v1@455.63,-250 500,-205.63 SO3.16@500,-175.51 ; SO3.10@800,-175.51 v1@800,-84.56 ; S?.1@1020,1660 1020,1679.68 1002.97,1696.71 933.29,1696.71 850,1780 465,1780 100,1415 v1(100,1345)
  Top Layer w50: Reg2.3@-555,350 -436.57,350 -255,531.57 CR3.1@-255,533.54 -255,535.51 -150,640.51 -150,905 -220.51,975.51 CR2.1@-245.75,975.51 ; K.4@-431.63,2099.7 -420.66,2099.7 -360.36,2160 -220,2160 -130,2070 -130,1575 v1(100,1345)
  Bottom Layer w25: v1(-1939.33,-460) -1939.33,-414.33 -1845.37,-320.37 -1805,-320.37 -1802.38,-317.75 -1757.25,-317.75 -1750,-325 ; v1@-1800,-25 -1794.94,-30.06 -1364.27,-30.06 v1(-1284.33,-110) -1184.33,-210 -787.62,-210 -699.92,-122.29 -699.92,-69.92 v1@-640,-10 ; -1745,-330 -1675.37,-399.63 -903.6,-399.63 -865.97,-437.25 -812.08,-437.25 v1(-809.33,-440) -684.33,-315 155,-315 v1(300,-460) ; v1(-650,-10) v1@-640,-10 ; v1@-204.03,-44.69 -319.33,-160 -407.96,-160 -577.96,10 -620,10 v1@-640,-10 ; v1(-199.33,-40) -67.72,-40 137.28,-245 435,-245 v1@437.25,-247.25 ; v1@72.5,442.5 120,490 120,605 ; v1@87.25,577.75 91.64,577.75 118.89,605 120,605 ; v1@90,1340 v1(90,730) 90,726.11 120,696.11 120,605 ; v1@440,-241.11 440,-197.38 538.25,-99.13 538.25,-76.75 590,-25 755,-25 v1@800,-70 ; S?.1@1020,1655 1115,1655 S?.2@1120,1660
  other v1: -1805,-315 440,-245 75,440
pads on no net: "CIN. " C13.0 CR3.0 Dr.2 Dr.3 Dr.4 Dr.5 Dr.6 Dr.7 Dr.10 Dr.11 Dr.12 Dr.13 Dr.14 Dr.15 K.3 M1.0 M2.0 M3.0 M4.0 M5.0 M6.0 M7.0 M8.0 M9.0 M10.0 M11.0 M12.0 M13.0 M14.0 M15.0 M16.0 M17.0 M18.0 M19.0 M20.0 M21.0 M22.0 M23.0 M24.0 Reg2.0 REG.0 Sh1.7 Sh2.7 Sh3.7 Sh3.10 SO5.9 T1.0 T2.0 T3.0 T4.0 T5.0 T6.0 T7.0 T8.0 T9.0 T10.0 T11.0 T12.0 T13.0 T14.0 T15.0 T16.0 T17.0 T18.0 T19.0 T20.0 T21.0 T22.0 T23.0 T24.0 T25.0 T26.0 T27.0 T28.0 T29.0 T30.0 T31.0 T32.0 T33.0 T34.0 T35.0 T36.0 T37.0 T38.0 T39.0 T40.0 U1.1 U1.2 U1.10 U1.17 U1.18 U1.19 U1.22 U1.25 U1.26 U1.39 U1.40 usb.1 Y3.3
copper on no net: | length 929
  Top Layer w10: -1466.12,904.96 -1410,961.08 v1@-1410,1025 ; v1@-1415,1020 v1@-1410,1025 ; v1(-1410,1030) v1@-1410,1025
  Bottom Layer w10: v1(-1410,1030) -1410,1076.05 -1376.05,1110 -845,1110 v1@-740,1215
  other v1: -104.33,-475 -735,1210

## Polygon pours and split planes (outlines as drawn)
GND on Bottom Layer "Bottom Layer-No Net" (solid, remove dead copper, pour order 0): -2455,2210 1930,2210 1930,-2045 -2455,-2045

## Keep-outs
Top Layer:
  the board outline again, w10

## Silkscreen, mask and mechanical layers (free items; w line width, h text height)
Top Overlay:
  drawing of 698 lines, arcs and shapes, not listed
  text "68" at 1615,1965 h60
  text "24" at 1615,1765 h60
  text "DN" at 1615,1555 h60
  text "UP" at 1615,1395 h60
  text "Dr" at 1615,1230 h60
  text "PHC" at 1590,1085 h60
  text "4" at 1615,950 h60
  text "3" at 1615,775 h60
  text "2" at 1615,635 h60
  text "1" at 1625,475 h60
  text "-" at 1615,270 h60
  text "SBS" at -75,130 h150
  text "ID" at -1780,120 h100
  text "G" at 1615,110 h60
  text "V1.0D9905" at -375,10 h150
  text "F" at 1615,-50 h60
  text "E" at 1615,-190 h60
  text "D" at 1615,-355 h60
  text "C" at 1615,-495 h60
  text "B" at 1615,-650 h60
  text "A" at 1615,-800 h60
  text "24V" at 1575,-1080 h40
  text "G" at 1605,-1285 h60
  text "F16" at 30,-1830 h39.37
  text "F1" at -2320,-1835 h47.24
  text "F2" at -2145,-1835 h47.24
  text "F3" at -1995.53,-1835 h47.24
  text "F4" at -1849.5,-1835 h47.24
  text "F5" at -1698.65,-1835 h47.24
  text "F6" at -1541.12,-1835 h47.24
  text "F7" at -1398.4,-1835 h47.24
  text "F8" at -1250.73,-1835 h47.24
  text "F9" at -1092.61,-1835 h47.24
  text "F10" at -949.34,-1835 h47.24
  text "F11" at -735,-1835 h39.37
  text "F12" at -570,-1835 h39.37
  text "F13" at -415,-1835 h39.37
  text "F14" at -263.6,-1835 h39.37
  text "F15" at -120,-1835 h39.37
  text "F17" at 187.5,-1835 h39.37
  text "F18" at 337.27,-1835 h39.37
  text "F19" at 490,-1835 h39.37
  text "F20" at 636.56,-1835 h39.37
  text "F21" at 850,-1835 h39.37
  text "F22" at 1010,-1835 h39.37
  text "F23" at 1160,-1835 h39.37
  text "F24" at 1313.12,-1835 h39.37
Bottom Overlay:
  lines w10: 727.32,-1275 727.32,-1071.67

## Text inside footprints (layer, text, board x,y; h text height)
K: Top Overlay "COM" at -440.37,1943.48 h59.06 r270; Top Overlay "NO" at -149.37,1784.48 h59.06 r270; Top Overlay "NC" at -147.37,2049.48 h59.06 r270
S?: Top Overlay "ON" at 1121,1897.8 h39.37